# Allegro board FH8858v310_app_board_v1.1.brd (continued)
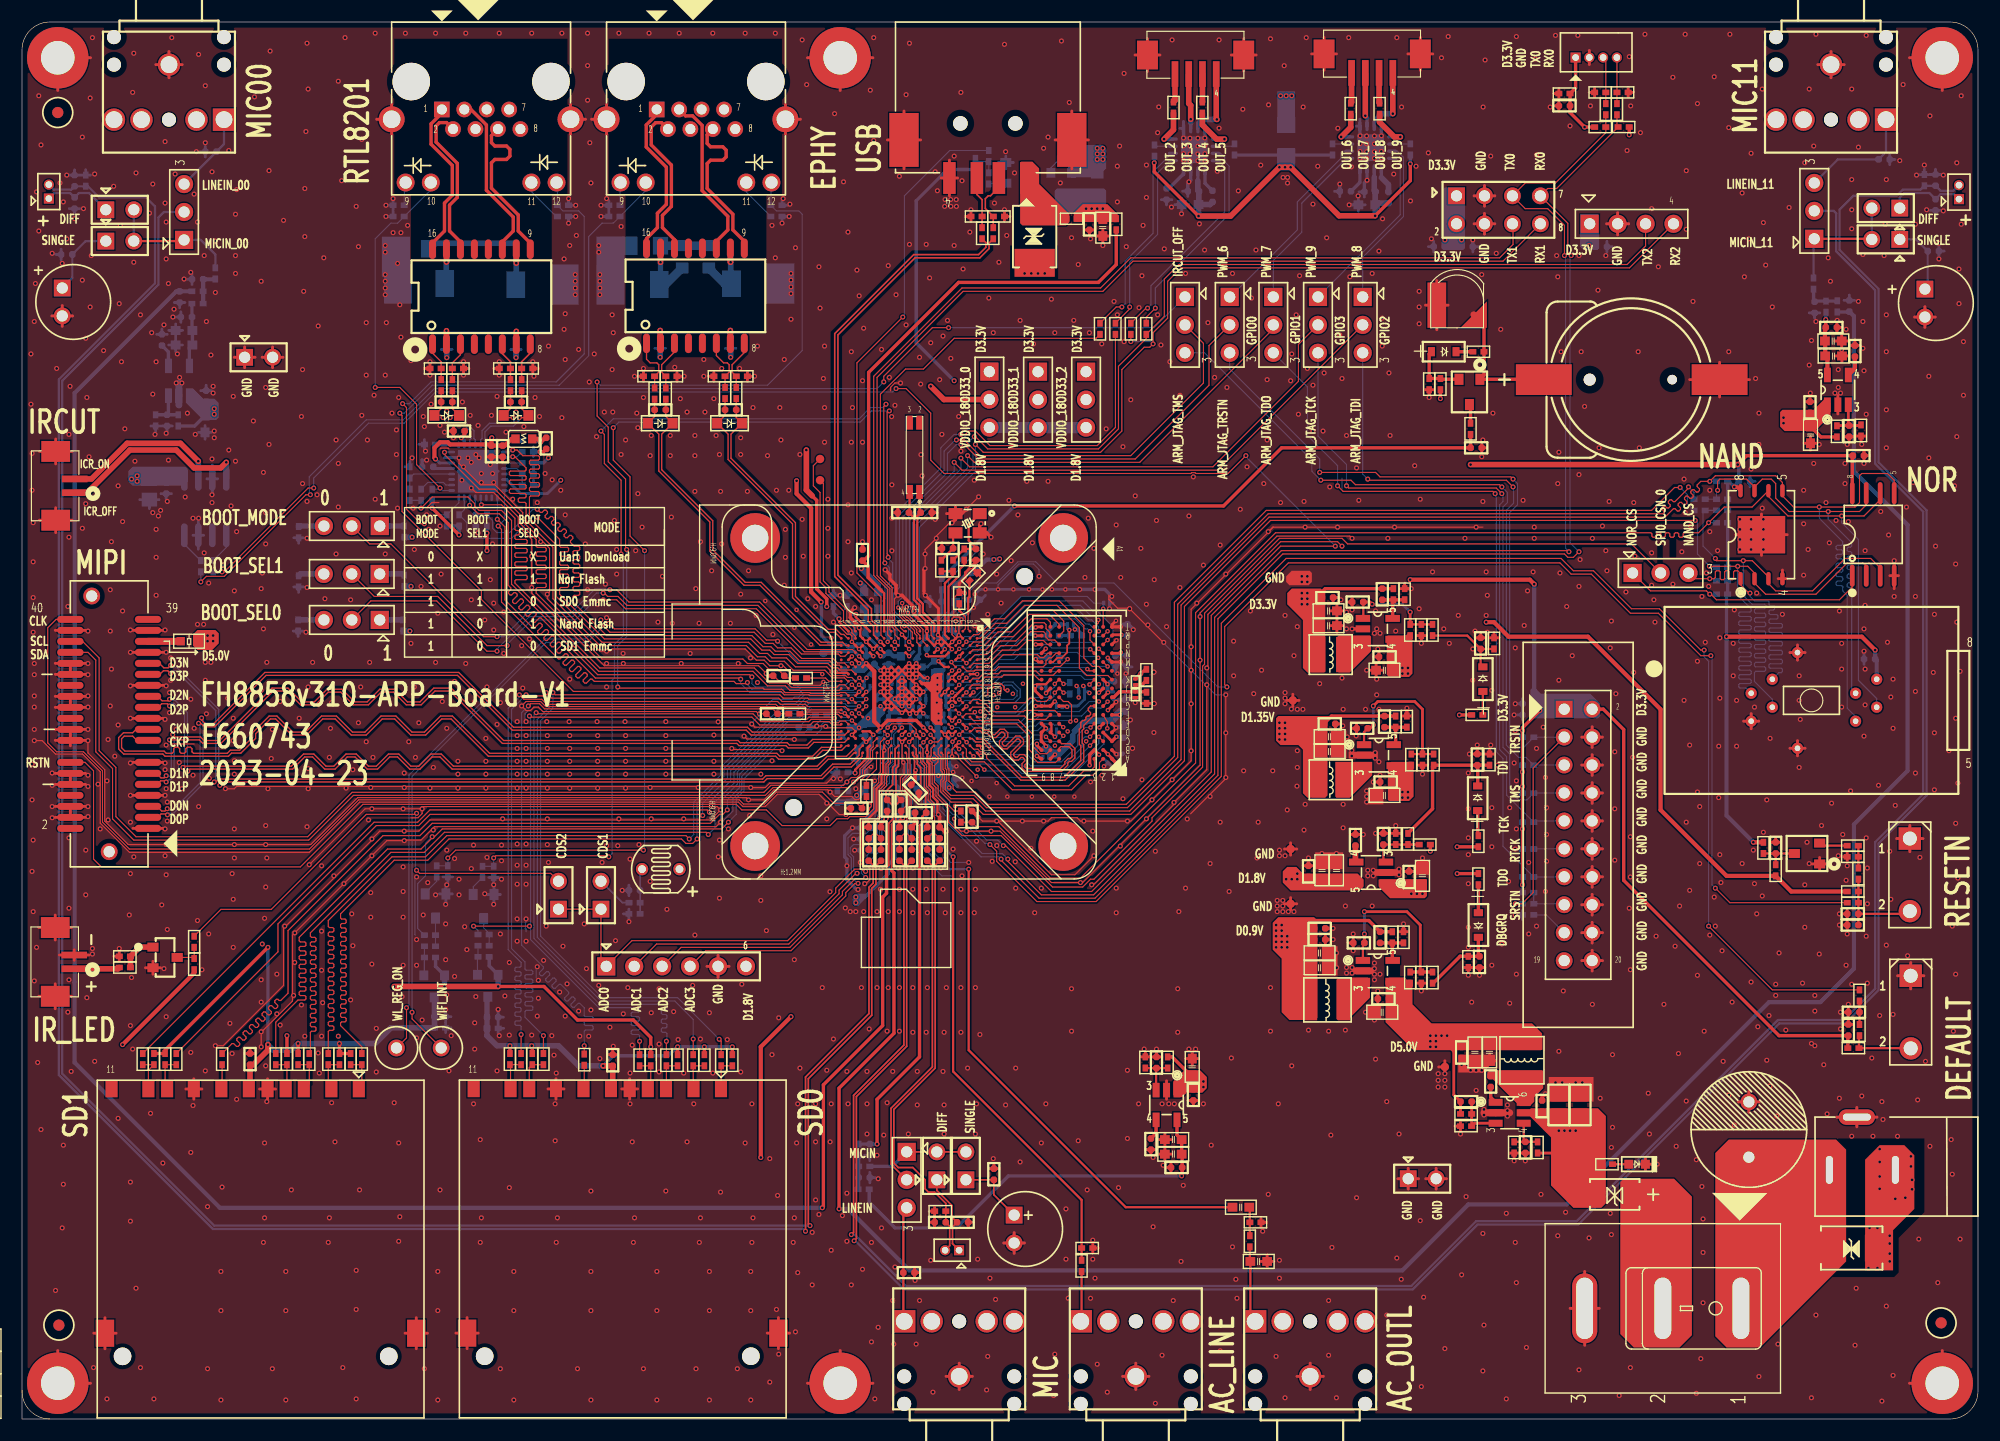
[diagram p0: board, top side]
## Nets (continued)
GND: BT1.2(-) BT2.2(-) C2.2 C3.2 C4.2 C5.2 C6.2 C7.2 C9.2 C10.1 C11.1 C12.1 C14.2 C15.2 C16.2 C17.1 C18.1 C19.2 C20.1 C21.2 C22.2 C23.1 C24.2 C25.1 C26.1 C28.2 C29.2 C30.2 C31.1 C32.2 C33.2 C34.1 C35.1 C37.2 C38.2 C39.2 C40.2 C41.1 C42.2 C43.2 C44.1 C45.1 C46.1 C47.1 C48.1 C49.2 C50.1 C51.2 C52.1 C53.2 C54.2 C55.2 C58.2 C59.2 C60.2 C63.1 C64.2 C65.1 C66.2 C67.2 C70.2 C71.2 C73.2 C74.2 C75.2 C77.1 C78.1 C79.1 C80.1 C81.1 C82.1 C83.1 C84.2 C85.1 C86.2 C87.2 C88.2 C89.2 C90.2 C91.2 C92.2 C93.2 C94.2 C95.2 C96.2 C97.2 C98.2 C99.2 C100.1 C101.2 C102.2 C103.2 C104.2 C105.2 C106.2 C107.1 C108.2 C109.1 C110.2 C111.2 C112.2 C113.2 C114.2 C115.2 C116.2 C117.2 C118.1 C119.2 C120.1 C121.2 C122.1 C123.2 C124.2 C125.2 C126.2 C127.2 C128.2 C129.2 C130.2 C131.1 C132.2 C133.1 C134.2 C135.1 C136.2 C137.2 C138.2 C139.2 C140.2 C141.2 C142.2 C143.2 C144.1 C145.2 C147.2 C148.2 C149.2 C150.1 C151.2 C152.2 C153.2 C156.2 C157.2 C158.2 C159.2 C160.2 C161.2 C162.2 C163.2 C164.2 C165.2 C166.1 C167.2 C168.2 C169.1 C170.2 C171.2 C172.2 C173.2 C174.2 C175.2 C176.1 C177.2 C178.2 C179.1 C180.1 C181.1 C183.1 C184.1 C185.1 C186.2 C188.2 C189.2 C190.1 C191.2 C192.2 C193.1 C194.2 C195.1 C196.2 C199.2 C200.2 C299.2 CN1.5 CN2.5 CN3.5 CN4.5 CN5.5 CR3.2 CR4.2 CR5.2 CR6.2 CR7.2 CR8.2 CR9.2 CR10.2 CR11.2 CR12.2 CR13.2 CR14.2 CR15.2 CR16.2 CR17.2 CR18.2 CR19.2 CR20.2 CR21.2 CR22.2 CR23.2 CR24.2 CR25.2 CR26.2 CR27.2 CR29.2 CR30.2 CR31.2 CR32.2 CR33.2 CR34.1 D2.A D3.K D8.K D9.A D10.A D13.K D14.A D15.A D16.A D17.A D18.K D19.A D21.K D22.K D23.A D24.K D25.K D26.A D27.K D28.K D29.K D30.A D31.A D33.A J1.2 J1.3 J2.3 J3.1 J3.4 J3.6 J3.7 J3.10 J3.12 J3.13 J3.18 J3.20 J3.21 J3.24 J3.26 J3.27 J3.30 J3.32 J3.33 J3.37 J3.38 J4.5(GND2) J4.8(GND1) J4.15(GND3) J4.16(GND4) J5.5(GND2) J5.8(GND1) J5.15(GND3) J5.16(GND4) J6.2 J8.2 J10.2 J12.2 J13.2 J13.CG1 J13.CG2 J14.5 J15.CG1 J15.CG2 J16.2 J17.13(SOLDER1) J17.14(SOLDER2) J18.13(SOLDER1) J18.14(SOLDER2) J19.CG1 J19.CG2 J20.CG1 J20.CG2 J21.4(GND) J21.CG1 J21.CG2 JP4.1 JP4.2 JP5.1 JP5.2 Q1.2(E) Q2.2(E) Q3.2(E) Q4.2(E) R4.1 R5.1 R8.1 R9.1 R11.1 R16.1 R17.1 R19.2 R22.2 R25.1 R26.1 R31.2 R38.1 R43.2 R46.2 R48.2 R49.2 R63.1 R74.1 R80.2 R92.1 R99.2 R106.1 R107.2 R112.1 R113.2 R118.1 R119.2 R121.1 R126.2 R132.1 R134.2 R139.2 R142.2 R173.1 R176.1 R179.1 R188.1 R189.1 R191.2 R192.1 R193.1 R199.1 RF2.1 RR2.1 RR3.1 RR4.1 RR9.1 RR10.1 RR13.1 S1.1 S2.1 T2.1 T5.1 T6.1 T8.1 T10.1 T16.1 T17.1 T18.1 T19.1 T20.1 T21.1 U1.2(GND) U2.2(GND) U3.2(GND) U4.2(GND) U5.2(GND) U6.A1(VSS_0) U6.A17(VSS_1) U6.A18(VSS_2) U6.B7(VSS_3) U6.B10(VSS_4) U6.C2(VSS_5) U6.C4(VSS_6) U6.C9(VSS_7) U6.C12(VSS_8) U6.C14(VSS_9) U6.D2(VSS_10) U6.D5(VSS_11) U6.D7(VSS_12) U6.D8(VSS_13) U6.D10(VSS_14) U6.D11(VSS_15) U6.D13(VSS_16) U6.D15(VSS_17) U6.D17(VSS_18) U6.E3(GNDA_PLL) U6.E8(VSS_19) U6.E9(VSS_20) U6.E11(VSS_21) U6.E13(VSS_22) U6.E15(VSS_23) U6.E16(VSS_24) U6.F2(VSS_25) U6.F3(VSS_26) U6.F10(VSS_27) U6.F15(VSS_28) U6.G3(GNDA_RTC_0) U6.H2(GNDA_RTC_1) U6.H17(VSS_29) U6.J6(VSS_30) U6.J7(VSS_31) U6.J9(VSS_32) U6.J10(VSS_33) U6.J11(VSS_34) U6.J12(VSS_35) U6.J16(GNDA_AC_1) U6.K6(VSS_36) U6.K7(VSS_37) U6.K8(VSS_38) U6.K9(VSS_39) U6.K12(VSS_42) U6.L2(VSS_65) U6.L6(VSS_66) U6.L7(VSS_67) U6.L12(VSS_68) U6.L16(GNDA_AC_0) U6.M6(VSS_43) U6.M7(VSS_44) U6.M12(VSS_45) U6.M16(GNDA_AC_2) U6.N6(VSS_46) U6.N7(VSS_47) U6.N8(VSS_48) U6.N9(VSS_49) U6.N10(VSS_50) U6.N11(VSS_51) U6.N12(VSS_52) U6.P6(VSS_53) U6.P7(VSS_54) U6.P8(VSS_55) U6.P9(VSS_56) U6.P10(VSS_57) U6.P11(VSS_58) U6.P12(VSS_59) U6.P17(VSS_60) U6.R3(GNDA_USB_0) U6.T2(GNDA_USB_1) U6.T3(GNDA_USB_2) U6.T16(GNDA_MIPI_0) U6.U2(GNDA_USB_3) U6.U3(GNDA_EPHY_0) U6.U4(GNDA_EPHY_1) U6.U16(GNDA_MIPI_1) U6.V3(GNDA_EPHY_2) U6.V10(VSS_61) U6.V15(GNDA_MIPI_2) U6.V16(GNDA_MIPI_3) U6.W5(VSS_62) U6.W7(VSS_63) U6.W13(VSS_64) U7.2 U7.4 U9.4(GND) U10.4(GND) U10.9(PAD) U11.2(GND) U12.2(GND) U13.2(GND) U14.4(GND) U14.9(PAD1) U14.10(PAD2) U15.3 U15.4 U18.4 U18.6 U18.8 U18.10 U18.12 U18.14 U18.16 U18.18 U18.20 U19.3(GND#3) U19.7(GND#7) U22.1(GND) U25.31(CKXTAL1) U25.33(TH) U26.1(AISEN) U26.4(BISEN) U26.11(GND) U26.17(PAD) U27.1(AISEN) U27.4(BISEN) U27.11(GND) U27.17(PAD) UR1.A9(VSS1) UR1.B1(VSSQ1) UR1.B3(VSS2) UR1.B9(VSSQ2) UR1.D1(VSSQ3) UR1.D8(VSSQ4) UR1.E1(VSS3) UR1.E2(VSSQ5) UR1.E8(VSSQ6) UR1.F9(VSSQ7) UR1.G1(VSSQ8) UR1.G8(VSS4) UR1.G9(VSSQ9) UR1.J2(VSS5) UR1.J8(VSS6) UR1.M1(VSS7) UR1.M9(VSS8) UR1.P1(VSS9) UR1.P9(VSS10) UR1.T1(VSS11) UR1.T9(VSS12)
VBUS: D17.K J21.1(VCC) R160.2
VDDIO_18OD33_0: C82.2 JP13.2 U6.U10(VDDIO_18OD33_0)
VDDIO_18OD33_1: C85.2 JP40.2 U6.L4(VDDIO_18OD33_1)
VDDIO_18OD33_2: C83.2 JP41.2 U6.G15(VDDIO_18OD33_2)
AC_LINE1: C72.2 R120.2 R121.2
AC_MICBIAS: C59.1 C114.1 R104.2 U6.K17(AC_MICBIAS)
AC_MICBIAS_00: C66.1 C140.1 R116.2 U6.M17(AC_MICBIAS_00)
AC_MICBIAS_11: C71.1 C127.1 R110.2 U6.M18(AC_MICBIAS_11)
AC_MICIN: C57.2 C117.1 J7.2 R107.1
AC_MICIN_00: C62.2 C143.1 J11.2 R119.1
AC_MICIN_11: C69.2 C130.1 J9.2 R113.1
AC_MICIP: C56.2 JP17.2
AC_MICIP_00: C61.2 JP23.2
AC_MICIP_11: C68.2 JP20.2
AC_OUTL: C76.2 C146.1
ARM_DBGRQ: R142.1 U18.17
ARM_JTAG_TCK: JP9.3 R138.1 U18.9
ARM_JTAG_TDI: JP7.3 R136.1 U18.5
ARM_JTAG_TDO: JP12.3 R140.1 U18.13
ARM_JTAG_TMS: JP10.3 R137.1 U18.7
ARM_JTAG_TRSTN: JP11.3 R135.1 R143.1 U18.3
BOOT_MODE: JP1.2 U6.V4(BOOT_MODE/GPIO30)
BOOT_SEL0: JP3.2 U6.Y4(BOOT_SEL0/GPIO32)
BOOT_SEL1: JP2.2 U6.W4(BOOT_SEL1/GPIO31)
CDS1: JP29.2 R129.2
CDS2: JP30.2 R130.1
CIS_CLK: C52.2 J3.40 R33.1
CIS_RSTN: J3.14 U6.P16(SENSOR_RSTN/GPIO13)
CIS_SCL: J3.36 R34.2 U6.R16(I2C0_SCL/GPIO35)
CIS_SDA: J3.34 R35.2 U6.R17(I2C0_SDA/GPIO36)
CLK_IN: R39.2 U6.E1(CLK_IN)
CLK_OUT: R40.1 R41.2 U6.E2(CLK_OUT)
DDR_0_CS_N: U6.B2(DDR_CS_N) UR1.L2(C\S\)
DDR_0_ODT: U6.A2(DDR_ODT) UR1.K1(ODT)
DDR_A0: U6.C8(DDR_A0) UR1.N3(A0)
DDR_A1: U6.A5(DDR_A1) UR1.P7(A1)
DDR_A2: U6.E7(DDR_A2) UR1.P3(A2)
DDR_A3: U6.C7(DDR_A3) UR1.N2(A3)
DDR_A4: U6.B6(DDR_A4) UR1.P8(A4)
DDR_A5: U6.C3(DDR_A5) UR1.P2(A5)
DDR_A6: U6.B5(DDR_A6) UR1.R8(A6)
DDR_A7: U6.C5(DDR_A7) UR1.R2(A7)
DDR_A8: U6.B4(DDR_A8) UR1.T8(A8)
DDR_A9: U6.D6(DDR_A9) UR1.R3(A9)
DDR_A10: U6.B8(DDR_A10) UR1.L7(A10/AP)
DDR_A11: U6.B3(DDR_A11) UR1.R7(A11)
DDR_A12: U6.C6(DDR_A12) UR1.N7(A12/BC~)
DDR_A13: U6.D4(DDR_A13) UR1.T3(A13)
DDR_A14: U6.A3(DDR_A14) UR1.T7(A14)
DDR_BA0: U6.E10(DDR_BA0) UR1.M2(BA0)
DDR_BA1: U6.A6(DDR_BA1) UR1.N8(BA1)
DDR_BA2: U6.D9(DDR_BA2) UR1.M3(BA2)
DDR_CAS_N: U6.C11(DDR_CAS_N) UR1.K3(C\A\S\)
DDR_CKE: U6.A8(DDR_CKE) UR1.K9(CKE)
DDR_CLK0_N: RR1.1 U6.A9(DDR_CLK_N) UR1.K7(C\K\)
DDR_CLK0_P: RR1.2 U6.B9(DDR_CLK_P) UR1.J7(CK)
DDR_DM0: U6.D14(DDR_DM0) UR1.E7(LDM)
DDR_DM1: U6.B18(DDR_DM1) UR1.D3(UDM)
DDR_DQ0: U6.C16(DDR_DQ0) UR1.E3(DQ0)
DDR_DQ1: U6.A11(DDR_DQ1) UR1.F7(DQ1)
DDR_DQ2: U6.D18(DDR_DQ2) UR1.F2(DQ2)
DDR_DQ3: U6.B12(DDR_DQ3) UR1.F8(DQ3)
DDR_DQ4: U6.A13(DDR_DQ4) UR1.H3(DQ4)
DDR_DQ5: U6.B11(DDR_DQ5) UR1.H8(DQ5)
DDR_DQ6: U6.C13(DDR_DQ6) UR1.G2(DQ6)
DDR_DQ7: U6.D12(DDR_DQ7) UR1.H7(DQ7)
DDR_DQ8: U6.C15(DDR_DQ8) UR1.D7(DQ8)
DDR_DQ9: U6.D16(DDR_DQ9) UR1.C3(DQ9)
DDR_DQ10: U6.E14(DDR_DQ10) UR1.C8(DQ10)
DDR_DQ11: U6.C18(DDR_DQ11) UR1.C2(DQ11)
DDR_DQ12: U6.B14(DDR_DQ12) UR1.A7(DQ12)
DDR_DQ13: U6.C17(DDR_DQ13) UR1.A2(DQ13)
DDR_DQ14: U6.B13(DDR_DQ14) UR1.B8(DQ14)
DDR_DQ15: U6.B17(DDR_DQ15) UR1.A3(DQ15)
DDR_DQS0_N: U6.A16(DDR_DQS0_N) UR1.G3(L\D\Q\S\)
DDR_DQS0_P: U6.B16(DDR_DQS0_P) UR1.F3(LDQS)
DDR_DQS1_N: U6.B15(DDR_DQS1_N) UR1.B7(U\D\Q\S\)
DDR_DQS1_P: U6.A15(DDR_DQS1_P) UR1.C7(UDQS)
DDR_RAS_N: U6.E12(DDR_RAS_N) UR1.J3(R\A\S\)
DDR_RESET_N: CR34.2 U6.D3(DDR_RESET_N) UR1.T2(R\E\S\E\T\)
DDR_VREF_D: CR2.2 CR16.1 RR8.1 RR10.2 U6.E6(DDR_VREFDQ)
DDR_WE_N: U6.C10(DDR_WE_N) UR1.L3(W\E\)
E0_CT1: C168.1 U24.2(CT1)
E0_CT1_16425705: C165.1 U23.2(CT1)
E0_CT2: C170.1 U24.7(CT2)
E0_CT2_16425705: C167.1 U23.7(CT2)
EN1: C32.1 D4.K R13.1 R19.1 R20.1
EN2: C200.1 D35.K R12.1 R126.1
EN3: C33.1 D5.K R22.1 R27.1
EPHY_RXN: C155.2 D32.K R181.2 U6.W2(EPHY_RXN)
EPHY_RXP: C155.1 D32.A R178.2 U6.Y2(EPHY_RXP)
EPHY_TXN: C154.2 D20.K R177.2 U6.W3(EPHY_TXN)
EPHY_TXP: C154.1 D20.A R174.2 U6.Y3(EPHY_TXP)
ETH_ACT: D19.K J17.12(LEDY+) U6.W10(GPIO28)
ETH_AVDD33: C172.1 C173.1 L5.1 U25.7(AVDD33_1) U25.30(AVDD33_2)
ETH_STA: D23.K J17.10(LEDR+) U6.Y10(GPIO29)
GPIO_0: JP11.2 U6.J3(GPIO_0)
GPIO_1: JP12.2 U6.H3(GPIO_1)
GPIO_2: JP7.2 U6.J2(GPIO_2)
GPIO_3: JP9.2 U6.J1(GPIO_3)
GPIO_RESET: R166.2 U6.F16(PWM_1)
HOLD: R51.1 R54.1 U9.7(/HOLD/IO3) U10.7(IO3/HOLD) U14.7(IO3/HOLD)
IR_LED_IN: J13.1 R133.2
IRCUT_OFF: JP10.1 R144.2
IRCUT_ON: R145.2 U6.G16(PWM_0)
IRCUT_OUT_OFF: J15.1 U19.4(OUT A)
IRCUT_OUT_ON: J15.2 U19.2(OUT B)
JTAG_RTCK: R139.1 U18.11
JTAG_SRSTN: R141.1 R143.2 U18.15
LDO_MICBIAS: C110.1 C111.1 C112.1 R103.2 U11.5(VOUT)
LDO_MICBIAS_00: C136.1 C137.1 C138.1 R115.2 U13.5(VOUT)
LDO_MICBIAS_11: C123.1 C124.1 C125.1 R109.2 U12.5(VOUT)
LED0_AD0: D30.K J18.12(LEDY+) R197.2 U25.24(LED0_AD0)
LED1_AD1: D31.K J18.10(LEDR+) R198.2 U25.25(LED1_AD1)
MAC_MDC: U6.U8(MAC_MDC/GPIO55/PWM9) U25.22(MDC)
MAC_MDIO: R190.2 U6.V7(MAC_MDIO/GPIO56) U25.23(MDIO)
MAC_REF_CLK: C179.2 R205.2 U25.32(CKXTAL2)
MAC_RMII_RXDV: R196.2 U25.8(RXDV)
MAC_RX_ER: R193.2 R194.2 U25.28(RXER/FXEN)
MAC_RXD0: U6.V8(MAC_RXD_0) U25.9(RXD0)
MAC_RXD1: R192.2 U6.W8(MAC_RXD_1) U25.10(RXD1)
MAC_RXDV: R194.1 R195.1 U6.Y9(MAC_RXDV)
MAC_TXD0: U6.V9(MAC_TXD_0) U25.16(TXD0)
MAC_TXD1: U6.U9(MAC_TXD_1) U25.17(TXD1)
MAC_TXEN: U6.W9(MAC_TXEN) U25.20(TXEN)
MDI_RN: C198.2 D34.K R187.2 U25.6(MDI[1]-)
MDI_RP: C198.1 D34.A R185.2 U25.5(MDI[1]+)
MDI_TN: C197.2 D11.K R184.2 U25.4(MDI[0]-)
MDI_TP: C197.1 D11.A R182.2 U25.3(MDI[0]+)
MIPI_CKN: J3.19 U6.W17(MIPI_CKN)
MIPI_CKP: J3.17 U6.Y17(MIPI_CKP)
MIPI_D0N: J3.5 U6.W15(MIPI_DN0)
MIPI_D0P: J3.3 U6.Y15(MIPI_DP0)
MIPI_D1N: J3.11 U6.W16(MIPI_DN1)
MIPI_D1P: J3.9 U6.Y16(MIPI_DP1)
MIPI_D2N: J3.25 U6.V18(MIPI_DN2)
MIPI_D2P: J3.23 U6.V17(MIPI_DP2)
MIPI_D3N: J3.31 U6.U18(MIPI_DN3)
MIPI_D3P: J3.29 U6.U17(MIPI_DP3)
MIPI_D5.0V: J3.35 R50.2
MOTO_OUT_2: R150.1 U26.16(AOUT1)
MOTO_OUT_3: J19.2 U26.2(AOUT2)
MOTO_OUT_4: R151.1 U26.5(BOUT1)
MOTO_OUT_5: J19.4 U26.3(BOUT2)
MOTO_OUT_6: R152.1 U27.16(AOUT1)
MOTO_OUT_7: J20.2 U27.2(AOUT2)
MOTO_OUT_8: R153.1 U27.5(BOUT1)
MOTO_OUT_9: J20.4 U27.3(BOUT2)
NAND_CS: JP14.3 R59.2 U10.1(CS) U14.1(CS)
NOR_CS: JP14.1 R52.2 U9.1(/CS)
PHY_RESET: C176.2 R202.2 U6.Y6(SSI1_RXD/GPIO16/SSI2_RXD) U25.21(PHYRSTB)
PHY_RN: J18.6(RX-) U24.9(RX-)
PHY_RN_16425661: J17.6(RX-) U23.9(RX-)
PHY_RP: J18.3(RX+) U24.11(RX+)
PHY_RP_16425661: J17.3(RX+) U23.11(RX+)
PHY_TN: J18.2(TX-) U24.14(TX-)
PHY_TN_16425661: J17.2(TX-) U23.14(TX-)
PHY_TP: J18.1(TX+) U24.16(TX+)
PHY_TP_16425661: J17.1(TX+) U23.16(TX+)
PWM_2: R154.1 U26.14(AIN1)
PWM_3: R155.1 U26.13(AIN2)
PWM_4: R156.1 U26.7(BIN1)
PWM_5: R212.1 U26.8(BIN2)
PWM_6: JP11.1 U27.14(AIN1)
PWM_7: JP12.1 U27.13(AIN2)
PWM_8: JP7.1 U27.7(BIN1)
PWM_9: JP9.1 U27.8(BIN2)
RESETN: C190.2 R172.2 U6.D1(RESETN)
RMII_CLK_CTL: R199.2 R200.2 U25.12(RXD3/CLK_CTL)
RMII_INT: R201.2 U25.11(RXD2)
RTC_VBAT: C102.1 R37.1 R61.1
RTC_XIN: C79.2 U6.G1(RTC_XIN) U8.1
RTC_XOUT: C81.2 U6.G2(RTC_XOUT) U8.4
SD0_3.3V: C103.1 C104.1 J4.6(VCC) MQ1.3(DRAIN) R64.1 R65.1 R66.1 R67.1 R74.2 R82.1
SD0_CD: R75.1 R77.1 U6.Y14(SD0_CD/GPIO17)
SD0_CLK: C178.1 R72.1 R204.1
SD0_CMD: R79.1 U6.W14(SD0_CMD_RSP/GPIO19)
SD0_DATA_0: R68.1 U6.W12(SD0_DATA_0/GPIO20)
SD0_DATA_1: R69.1 U6.Y12(SD0_DATA_1/GPIO21)
SD0_DATA_2: R70.1 U6.W11(SD0_DATA_2/GPIO22)
SD0_DATA_3: R71.1 U6.Y11(SD0_DATA_3/GPIO23)
SD1_3.3V: C105.1 C106.1 J5.6(VCC) MQ2.3(DRAIN) R83.1 R84.1 R85.1 R86.1 R92.2 R101.1
SD1_CD: R94.1 R96.1 U6.V14(SD1_CD/GPIO58/I2C1_SDA)
SD1_CLK: C180.2 R93.1 R206.2
SD1_CMD: R98.1 U6.U13(SD1_CMD_RSP/GPIO59/UART1_TX)
SD1_DATA_0: R87.1 U6.U12(SD1_DATA_0/GPIO60/UART1_RX)
SD1_DATA_1: R88.1 U6.V12(SD1_DATA_1/GPIO61/UART2_TX)
SD1_DATA_2: R89.1 U6.V11(SD1_DATA_2/GPIO62/UART2_RX)
SD1_DATA_3: R90.1 U6.U11(SD1_DATA_3/GPIO63)
SPI0_CLK: C177.1 R56.1 R203.1 U9.6(CLK) U10.6(CLK) U14.6(CLK)
SPI0_CSN_0: JP14.2 U6.G17(SSI0_CSN_0)
SPI0_D_2: R58.1 U6.E18(SSI0_D2)
SPI0_D_3: R51.2 U6.E17(SSI0_D3)
SPI0_RXD: R53.2 U6.F17(SSI0_RXD) U9.2(SO/IO1/TXD) U10.2(SO/IO1/TXD) U14.2(SO/IO1/TXD)
SPI0_TXD: R57.1 U6.F18(SSI0_TXD) U9.5(SI/IO0/RXD) U10.5(IO0/SI/RXD) U14.5(IO0/SI/RXD)
UART0_RX: R122.1 R127.1 U6.J15(UART0_RX/GPIO34) U15.7
UART0_TX: R124.1 R125.1 U6.H16(UART0_TX/GPIO33) U15.5
UART1_RX: U6.N1(UART1_RX) U15.8
UART1_TX: U6.N2(UART1_TX) U15.6
UART2_RX: J16.4 R212.2 U6.K3(UART2_RX)
UART2_TX: J16.3 R156.2 U6.L3(UART2_TX)
USB_DM: R146.1 U6.R1(USB_DM)
USB_DP: R147.1 U6.R2(USB_DP)
USB_PWREN: R162.1 U6.P2(USB_PWREN)
USB_VBUS: C196.1 R158.2 U6.P1(USB_VBUS)
USBN: D13.A J21.2(D-) R146.2
USBP: D14.K J21.3(D+) R147.2
VM: C181.2 C182.2 C183.2 C184.2 C185.2 C187.2 R207.1 R208.1 R209.1 R210.2 R211.1 U26.10(VM) U27.10(VM)
VREFCA0: CR28.2 CR33.1 RR11.1 RR13.2 UR1.M8(VREFCA)
VREFDQ0: CR1.2 CR15.1 RR5.1 RR9.2 UR1.H1(VREFDQ)
WIFI_INT: T14.1 U6.V6(SSI1_CSN_0/GPIO14/SSI2_CSN_0)
WL_REG_ON: T15.1 U6.W6(SSI1_TXD/GPIO15/SSI2_TXD)
WP: R55.2 R58.2 U9.3(/WP/IO2) U10.3(WP/IO2) U14.3(WP/IO2)
XAIN0_SADC: C97.1 J14.1 JP29.1 JP30.1 U6.M15(SADC_XAIN0/GPIO26)
XAIN1_SADC: C156.1 J14.2 U6.N16(SADC_XAIN1/GPIO27)
XAIN2_SADC: C157.1 J14.3 U6.N15(SADC_XAIN2/GPIO24)
XAIN3_SADC: C189.1 J14.4 U6.P15(SADC_XAIN3/GPIO25)
N00509: C149.1 D12.K R129.1 R132.2
N00760: J4.9(DATA0) R67.2 R68.2
N00772: J4.10(DATA1) R66.2 R69.2
N00784: J4.1(DATA2) R65.2 R70.2
N00796: J4.2(DATA3) R64.2 R71.2
N00808: J4.7(CLK) R72.2
N00832: J4.4(CARD) R77.2 R81.2
N00844: J4.3(CMD) R79.2 R82.2
N02229: J5.9(DATA0) R86.2 R87.2
N02233: J5.10(DATA1) R85.2 R88.2
N02237: J5.1(DATA2) R84.2 R89.2
N02241: J5.2(DATA3) R83.2 R90.2
N02245: J5.7(CLK) R93.2
N02253: J5.4(CARD) R96.2 R100.2
N02257: J5.3(CMD) R98.2 R101.2
N02694: R191.1 U25.1(RSET)
N02800: C175.1 U25.29(DVDD10)
N02838: R195.2 U25.26(CRS/CRS_DV)
N02910: C174.1 U25.2(AVDD10)
N04317: R144.1 U19.8(IN A)
N04321: R145.1 U19.5(IN B)
N04628: D9.K J12.4 R127.2
N04632: D10.K J12.3 R125.2
N05813: C146.2 RF1.1 RF2.2
N05817: C147.1 CN5.1 RF1.2
N06013: R164.2 R165.1 S1.2
N06017: C161.1 R165.2 R166.1
N06505: C163.1 C164.1 R168.1 R171.2 R172.1 S2.2
N06945: R170.2 R171.1 R173.2
N06949: R170.1 U22.2(/RESET)
N07170: C162.1 R167.2 R169.2 U22.3(VCC)
N07819: C158.1 C159.1 MQ3.3(DRAIN) R157.2 R158.1 R160.1
N08066: C3.1 D2.K J1.1 J2.1
N08150: D1.A J2.2
N08491: MQ3.1(GATE) Q4.3(C) R159.1
N08611: Q4.1(B) R163.2
N08706: RR4.2 UR1.L8(ZQ)
N08717: R161.1 R162.2 R163.1
N08787: MQ1.1(GATE) R73.1 R76.2
N08811: Q1.3(C) R75.2 R76.1
N09072: D3.A R1.1
N09434: C134.1 J10.1 JP21.1
N09578: C145.1 CN3.1 JP23.3
N09603: C1.1 U1.1(BS)
N09840: C1.2 L1.1 U1.6(SW)
N09903: C8.2 R3.1 R5.2 U1.3(FB)
N09934: MQ2.1(GATE) R91.1 R95.2
N09938: Q2.3(C) R94.2 R95.1
N10300: C139.1 R114.2 R115.1 R116.1
N11558: C20.2 R7.2 R8.2 R12.2 U2.1(EN)
N12312: L2.1 U2.3(LX)
N12328: C13.2 R6.1 R9.2 U2.5(FB)
N12968: Q3.1(B) R133.1 R134.1
N13141: Q3.3(C) R130.2 R131.1
N15061: C27.2 R14.1 R16.2 U4.5(FB)
N15235: C31.2 R15.2 R17.2 R20.2 U4.1(EN)
N15383: L3.1 U4.3(LX)
N17654: C36.2 R23.1 R26.2 U5.5(FB)
N17828: C41.2 R24.2 R25.2 R27.2 U5.1(EN)
N17960: L4.1 U5.3(LX)
N20335: C23.2 R10.2 R11.2 R13.2 U3.3(EN)
N28498: C10.2 R2.2 R4.2 U1.4(EN)
N33554: C144.2 R117.2 R118.2 U13.3(EN)
N36432: CN4.1 R120.1
N36801: C24.1 U3.4(NR)
N41621: D4.A R18.2
N41625: D5.A R21.2
N44755: C142.1 J11.1 JP22.1
N44863: JP21.2 JP22.2 JP23.1 R114.1
N48743: C141.1 U13.4(NR)
N052210: Q1.1(B) R78.2
N56700: C126.1 R108.2 R109.1 R110.1
N56732: C121.1 J8.1 JP18.1
N56740: C129.1 J9.1 JP19.1
N56748: JP18.2 JP19.2 JP20.1 R108.1
N56996: C131.2 R111.2 R112.2 U12.3(EN)
N57248: C132.1 CN2.1 JP20.3
N57260: C128.1 U12.4(NR)
N58665: C113.1 R102.2 R103.1 R104.1
N58697: C108.1 J6.1 JP15.1
N58705: C116.1 J7.1 JP16.1
N58713: JP15.2 JP16.2 JP17.1 R102.1
N58961: C118.2 R105.2 R106.2 U11.3(EN)
N59213: C119.1 CN1.1 JP17.3
N59225: C115.1 U11.4(NR)
N098160: Q2.1(B) R97.2
N16420393: C169.2 R183.1 R186.1
N16420413: D29.A R187.1 U24.8(RD-)
N16420429: D28.A R185.1 U24.6(RD+)
N16420441: D27.A R184.1 U24.3(TD-)
N16420453: D25.A R182.1 U24.1(TD+)
N16420847: D26.K R183.2 U24.15(CT4)
N16421965: D33.K R186.2 U24.10(CT3)
N16425733: J17.9(LEDR-) R179.2
N16425793: J17.11(LEDY-) R176.2
N16425805: C166.2 R175.1 R180.1
N16425817: D24.A R181.1 U23.8(RD-)
N16425841: D22.A R178.1 U23.6(RD+)
N16425857: D21.A R177.1 U23.3(TD-)
N16425869: D18.A R174.1 U23.1(TD+)
N16426003: D15.K R175.2 U23.15(CT4)
N16426121: D16.K R180.2 U23.10(CT3)
N16429750: C78.2 R39.1 R40.2 U7.1
N16429757: C80.2 R41.1 U7.3
N16431709: R38.2 U6.T17(MIPI_REXT)
N16431882: C63.2 C65.2 R36.2 U6.T15(VDDA_MIPI_0) U6.U15(VDDA_MIPI_1)
N16435126: J18.9(LEDR-) R189.2
N16435186: J18.11(LEDY-) R188.2
N16435296: R31.1 U6.T1(USB_REXT)
N16435824: C49.1 C51.1 R30.1 U6.P3(VDDA33_USB)
N16436348: C42.1 C43.1 R28.1 U6.P4(VDDA18_USB)
N16436997: C53.1 C54.1 R32.1 U6.L15(VDDA_AC)
N16449185: C45.2 C50.2 R29.2 U6.F4(VDDA18_PLL)
N16449233: C46.2 U6.E4(VDDA09_PLL)
N16450927: R205.1 U6.Y8(MAC_CLK)
N16455658: R154.2 U6.M2(I2C1_SCL)
N16455818: R155.2 U6.L1(I2C1_SDA)
N16457157: R206.1 U6.V13(SD1_CLK/GPIO57/I2C1_SCL)
N16486091: JP3.3 R48.1
N16486095: JP3.1 R47.1
N16486099: JP2.3 R46.1
N16486103: JP2.1 R45.1
N16486107: JP1.3 R43.1
N16486111: JP1.1 R42.1
N16486523: R49.1 U6.W1(EPHY_REXT)
N16486660: T12.1 U6.V1(EPHY_ATBUSA)
N16486662: T13.1 U6.V2(EPHY_ATBUSB)
N16487186: C87.1 R44.1 U6.R4(VDDA09_EPHY)
N16490273: RR2.2 U6.B1(DDR_CAL)
N16490668: T11.1 U6.U5(VDDA12_VREF)
N16520538: D6.3(A) R61.2
N16520613: BT1.1(+) BT2.1(+) D6.1(C1) R62.1
N16520832: D6.2(C2) D7.A R60.1 R63.2
N16520849: D7.K R62.2
N16521132: JP10.2 U6.K2(GPIO_4)
N16521492: R33.2 U6.R18(SENSOR_CLK/GPIO12)
N16523108: RR3.2 U6.C1(DDR_ZQ)
N16568818: C187.1 U26.9(VCP)
N16568861: C186.1 U26.12(VINT)
N16569733: R209.2 U26.6(NFAULT)
N16569735: R211.2 U26.15(NSLEEP)
N16571206: C182.1 U27.9(VCP)
N16571226: C188.1 U27.12(VINT)
N16571270: R208.2 U27.6(NFAULT)
N16571274: R207.2 U27.15(NSLEEP)
N16582454: C60.1 C61.1 U6.N18(AC_MICIP_00)
N16582482: C62.1 C64.1 U6.N17(AC_MICIN_00)
N16582502: C67.1 C68.1 U6.L18(AC_MICIP_11)
N16582514: C69.1 C70.1 U6.L17(AC_MICIN_11)
N16582562: C77.2 R37.2 U6.G4(VDDA33_RTC)
N16582664: C55.1 C56.1 U6.J18(AC_MICIP)
N16582680: C57.1 C58.1 U6.J17(AC_MICIN)
N16582750: C72.1 C73.1 U6.K15(AC_LINE1)
N16582754: C76.1 U6.K16(AC_OUTL)
N16582796: C74.1 C75.1 U6.K18(AC_VMID)
N16589672: R203.2 U6.G18(SSI0_CLK)
N16598183: R78.1 R80.1 U6.M3(PWM_2/GPIO45)
N16598187: R97.1 R99.1 U6.N3(PWM_3/GPIO46)
N16609598: R204.2 U6.Y13(SD0_CLK/GPIO18)
N16674187: J19.1 R150.2
N16674222: J19.3 R151.2
N16674257: J20.1 R152.2
N16674292: J20.3 R153.2
N16776457: D35.A R123.2

Pads without a net: CN1 2 3 4; CN2 2 3 4; CN3 2 3 4; CN4 2 3 4; CN5 2 3 4; J3 2 8 22 28 39; J4 11; J5 11; J17 4 5 7 8; J18 4 5 7 8; NOREF 1; NOREF#2 1; NOREF#5 1; NOREF#6 1; NOREF#7 1; NOREF#8 1; U6 Y5; U8 2 3; U18 19; U19 6; U23 4 5 12 13; U24 4 5 12 13; U25 13 15 18 19 27; UR1 J1 J9 L1 L9 M7

## Via types
v1: diameter 0.406, hole 0.203, TOP to BOTTOM, 289 vias
v2: diameter 0.457, hole 0.254, TOP to BOTTOM, 2476 vias

## Routing (per net, layer and track width the routed paths; a pad name or vN(x,y) marks a point on that pad's centre or on a via; arc(x,y) is an arc through that point)
D0.9V: length 27.3
  TOP w0.203: v1(79.99,66.1) 79.67,65.78 U6.M10 ; v1(79.99,66.1) 80.3,66.42 U6.L9 ; v1(79.99,66.1) U6.L10 ; v1(79.99,66.1) 79.99,66.1 U6.M9 79.67,66.43 v1(79.99,66.75) ; U6.L9 v1(79.99,66.75) ; U6.L9 80.63,66.1 ; v1(79.99,66.75) U6.M8 79.67,67.08 v1(79.99,67.4) U6.L8 80.3,67.07 v1(79.99,66.75) ; U6.L10 80.63,66.08 80.63,66.1 ; U6.L10 U6.K11 ; U6.L10 80.3,65.77 v1(79.99,65.45) ; U6.L11 v1(79.99,65.45) ; U6.L11 80.3,65.12 v1(79.99,64.8) U6.M11 ; U6.L11 U6.K10 ; U6.L11 v1(80.64,64.8) 80.95,65.12 U6.K11 ; v1(79.99,65.45) 79.67,65.13 U6.M11 ; v1(79.99,65.45) U6.M10 ; U6.K10 80.63,66.1 ; U6.K10 v1(81.29,65.45) 80.97,65.13 U6.K11 ; U6.M10 79.65,65.77 v1(79.34,65.45) U6.M11
  TOP w0.305: R23.2 C36.1 123.44,44.3 122.43,45.31 117.51,45.31 117.35,45.16
  BOTTOM w0.254: C89.1 78.32,64.52 v1(78.04,64.8)
  BOTTOM w0.305: C99.1 80.89,64.8 v1(80.64,64.8) ; C90.1 79.94,66.14 v1(79.99,66.1) 80.03,66.14 C96.1 ; C92.1 79.32,65.43 v1(79.34,65.45) 79.34,65.05 C91.1 79.9,64.88 v1(79.99,64.8) ; C94.1 79.88,66.85 v1(79.99,66.75) 80.09,66.85 C95.1 ; 80.3,64.96 C93.1 80.28,65.45 v1(79.99,65.45) ; C98.1 81.31,65.43 v1(81.29,65.45) ; v1(79.99,67.4) 79.91,67.48 R44.2 ; v1(78.04,64.8) 77.66,64.42 C88.1
  vias: v1(76.09,62.85) v1(76.91,63.7) v2(114,44.91) v2(114,44.4) v2(114,43.89) v2(114,43.38) v2(114,42.88) v2(114.5,44.91) v2(114.5,44.4) v2(114.5,43.89) v2(114.5,43.38) v2(114.5,42.88) v2(115.01,43.89) v2(115.01,43.38) v2(115.01,42.88)
D1.8V: length 204.4
  TOP w0.203: U6.U6 76.42,68.38 v1(76.74,68.7) ; U6.H15 v1(81.94,62.85) ; U6.V5 v1(76.09,68.7) ; U6.R15 78.04,62.83 v1(78.04,62.85)
  TOP w0.305: v1(81.94,62.85) 81.28,63.51 78.7,63.51 v1(78.04,62.85)
  TOP w0.381: v2(9.14,34.04) 15.65,40.54 R131.2 ; v1(76.74,68.7) 77.47,67.97 77.47,63.42 v1(78.04,62.85) ; v2(67.16,23.77) 67.16,33.83 v2(69.9,36.58) ; v2(133.1,72.44) 133.81,72.44 135.13,71.12 142.34,71.12 148.95,64.52 148.95,55.37 154.94,49.38 R169.1 160.83,47.95 R168.2
  L3 w0.381: 117.3,67.21 116.48,67.21 116.43,67.26 ; 117.3,67.21 117.3,66.5 117.45,66.34 ; 117.3,67.21 122.53,72.44 v2(133.1,72.44) ; 117.3,67.21 116.74,66.65 ; v2(67.16,23.77) 18.69,23.77 9.14,33.32 v2(9.14,34.04)
  L3 w0.457: v1(78.04,62.85) 77.95,62.76 77.95,61.84 77.72,61.62 77.72,59.03 76.91,58.22 76.91,57.2 76.4,56.69 v2(75.87,56.69)
  BOTTOM w0.254: 75.73,68.06 76.09,68.41 v1(76.09,68.7) ; C48.2 81.94,62.93 v1(81.94,62.85)
  BOTTOM w0.305: 76.66,68.12 76.74,68.19 v1(76.74,68.7) ; v1(78.04,62.85) 77.93,62.74 C47.2 ; v2(75.79,47.45) 76.61,47.45 78.74,49.58 78.74,50.39 79.35,51 R32.2
  BOTTOM w0.381: v2(88.86,78.19) 88.83,78.16 88.83,78.16 88.8,78.13 v2(88.34,78.13) 87.68,78.13 86.36,76.81 85.9,76.81 R29.1
  BOTTOM w0.508: R36.1 76.05,56.69 v2(75.87,56.69) 75.9,56.67 75.9,56.59 75.39,56.08 R35.1 R34.1 ; R28.2 76.56,75.64 v2(76.2,76)
  BOTTOM w1.016: JP41.3 JP40.3 92.35,90.14 JP13.3
  vias: v2(75.79,46.94) v2(114.91,49.07) v2(115.42,49.07) v2(115.93,49.58) v2(115.93,49.07)
D1.35V: length 51
  TOP w0.203: U6.F11 83.17,65.12 v1(83.16,65.13) 83.21,65.13 ; U6.F13 83.57,63.78 83.31,63.53 v1(83.31,63.5) 83.57,63.24 U6.F14 ; 92.1,66.64 92.26,66.8 93.06,66.8 UR1.K8 ; 81.76,66.93 U6.J8
  TOP w0.216: UR1.R9 v1(92.11,71.21)
  TOP w0.254: v2(101.7,67.77) 102.09,68.16 RR5.2 ; 93.06,62.84 93.06,62.79 UR1.D9 92.65,62.38 92.65,61.65 UR1.C9 93.08,61.21 v1(93.08,61.15) ; 93.06,62.84 UR1.E9 ; 93.06,62.84 93.08,62.84 93.08,62.81 93.12,62.78 93.07,62.78 v1(93.07,62.78) ; UR1.N1 99.81,69.61 v1(99.89,69.69) ; v1(99.94,71.29) 99.15,71.29 UR1.R1 ; UR1.H2 v1(98.71,66.05) ; UR1.H9 92.1,66.19 92.1,66.64 v1(92.1,66.64) ; UR1.N9 93.06,69.99 v1(93.06,70.03) ; UR1.C1 UR1.D2 ; UR1.K2 98.67,66.82 v1(98.67,66.8) ; UR1.A1 99.08,60.06 v1(98.7,60.44) 98.32,60.81 UR1.B2 ; v1(95,64.74) 94.93,64.81 UR1.G7 ; UR1.A8 93.87,60.4 v1(93.9,60.4) ; v1(99.79,64.01) UR1.F1
  TOP w0.305: 81.76,66.93 81.83,66.85 82.7,66.85 ; v1(83.21,67.36) 82.7,66.85 ; 82.7,66.85 82.8,66.85 ; 82.8,66.85 83.11,66.85 v1(83.21,66.75) ; 82.8,66.85 83.11,66.55 ; CR1.1 101.22,67.28 v2(101.7,67.77) ; v1(99.48,62.01) UR1.C1 ; C30.1 118.37,63.23 119.04,63.9 C27.1 R14.2 ; v1(99.47,59.57) 99.47,59.63 UR1.A1
  L3 w0.127: 84.29,68.44 84.9,68.44
  BOTTOM w0.203: CR6.1 83.58,63.36 83.21,62.99
  BOTTOM w0.254: v1(92.11,71.21) 91.97,71.36 CR27.1 ; CR24.1 92.14,66.6 92.1,66.64 v1(92.1,66.64) ; v1(98.7,60.44) 98.7,60.43 CR18.1 99.47,59.66 v1(99.47,59.57) ; CR25.1 96.59,66.52 v1(96.47,66.64) ; CR25.1 96.91,66.12 v1(97.03,66) ; CR25.1 96.59,65.43 95.98,64.82 95.07,64.82 v1(95,64.74) CR26.1 ; CR32.1 100.18,69.39 v1(99.89,69.69) 99.59,69.39 CR22.1
  BOTTOM w0.279: v1(93.07,62.78) 93.21,62.64 CR19.1
  BOTTOM w0.305: CR28.1 93.27,71.59 RR11.2 93.26,71.21 v1(92.11,71.21) ; v1(98.67,66.8) 98.93,67.06 CR30.1 ; v1(93.9,60.4) 94.2,60.4 95.46,61.66 95.46,62.17 96.78,63.49 99.11,63.49 99.64,64.01 v1(99.79,64.01) 100.14,64.37 CR21.1 ; v1(98.71,66.05) 98.77,66.1 CR17.1 ; CR31.1 100.01,71.22 v1(99.94,71.29)
  BOTTOM w0.381: v1(99.48,62.01) 100.04,62.01 CR23.1 ; v1(98.67,66.8) 98.67,66.09 v1(98.71,66.05)
  vias: v1(82.91,59.99) v1(83.21,66.14) v1(83.31,64.14) v1(83.29,58.47) v1(84.28,57.4) v2(114.3,63.3) v2(114.3,62.79) v2(114.3,62.28) v2(114.3,61.77) v2(114.81,63.3) v2(114.81,62.79) v2(114.81,62.28) v2(114.81,61.77)
D3.3V: length 309
  TOP w0.203: v1(77.39,69.35) 77.39,69.35 U6.T4
  TOP w0.305: v2(39.73,80.37) 39.73,80.37 v2(37.29,82.81) ; J12.1 141.22,121 D8.A C148.1 140.72,118.77 v2(142.04,117.45) R124.2 ; R122.2 v2(146.1,116.74) ; U10.8 155.87,84.73 v2(155.65,84.73) ; v2(43.28,39.32) 47.45,39.32 50.5,36.27 55.58,36.27 57.15,34.69 v2(57.15,33.83) R81.1 ; U18.2 143.74,64.53 145.59,62.68 145.59,48.97 159.71,34.85 C160.1 165.96,34.8 R164.1 ; v2(42.27,78.94) v2(42.27,80.53) ; R6.2 C13.1 118.46,75.49 118.06,75.08 ; v2(155.96,86.77) 156.77,87.58 C100.2 166.37,87.53 U9.8 ; R60.2 v2(128.93,92.76) ; R100.1 v2(24.08,34.85) ; v2(137.97,64.41) 136.4,62.84 v2(136.4,62.59) v2(136.4,58.83) v2(136.4,57.51) v2(136.4,53.64) v2(136.4,48.56)
  TOP w0.381: v2(72.64,74.27) 71.73,75.18 71.73,82.8 70.41,84.12 v2(70.41,85.29) ; C171.1 47.55,89.2 v2(47.14,88.8) 46.84,89.1 L5.2 ; v2(137.46,75.9) 137.06,76.3 v2(126.19,76.3) ; v2(168.45,69.9) 167.23,71.12 v2(154.94,71.12) ; R167.1 v2(157.38,52.43)
  TOP w0.508: v2(131.67,86.77) v2(155.96,86.77) ; v2(33.83,39.32) v2(38.4,39.32) v2(43.28,39.32)
  L3 w0.305: 131.41,108.66 U15.2 130.4,109.67 ; 131.41,111.2 U15.1 130.4,110.18 ; 142.5,107.58 J16.1 ; J16.1 141.42,108.66 ; J16.1 142.5,109.74
  BOTTOM w0.254: v2(48.97,85.34) 47.75,84.12 45.34,84.12 44.06,85.41 U25.14
  BOTTOM w0.305: v2(72.64,74.27) 72.67,74.24 72.67,71.2 73.46,70.41 74.88,70.41 75.1,70.19 75.63,70.19 75.89,70.46 76.28,70.46 76.75,69.98 C84.1 76.78,69.39 77.34,69.39 v1(77.39,69.35) ; R198.1 v2(37.29,82.81) ; R135.2 v2(136.4,62.59) ; R141.2 v2(136.4,48.56) R140.2 ; C195.2 v2(129.34,107.19) ; R137.2 v2(136.4,57.51) ; v2(47.85,87.38) 47.4,86.92 R201.1 R200.1 ; R202.1 v2(42.27,80.53) ; R197.1 R190.1 v2(39.73,80.37) ; MQ2.2 37.59,41.15 R91.2 ; R136.2 v2(136.4,58.83) ; R161.2 84.13,113.59 81.28,110.74 81.28,97.84 v2(84.73,94.39) ; R138.2 v2(136.4,53.64) ; MQ1.2 42.47,41.2 R73.2 ; v2(155.96,86.77) 156.06,86.66 C101.1 155.65,84.84 v2(155.65,84.73) 155.15,85.24 R57.2 155.04,83.62 R54.2 155.04,82.61 R55.1 155.04,81.49 R56.2 155.04,77.43 R53.1 155.04,76.2 R59.1 155.04,74.99 R52.1 154.94,74.88 v2(154.94,71.12)
  BOTTOM w0.381: R196.1 46.99,88.95 v2(47.14,88.8) ; v2(154.94,71.12) 154.94,54.87 v2(157.38,52.43) ; v2(168.45,69.9) C199.1 168.59,68.95 U14.8 ; 137.46,65.84 v2(137.46,75.9)
  BOTTOM w0.508: v2(35.26,71.63) R47.2 ; MQ1.2 v2(43.28,39.32) ; R45.2 v2(35.36,75.69) ; v2(76.3,77.32) 77.83,75.79 R30.2 ; MQ2.2 v2(38.4,39.32) ; R42.2 v2(35.46,80.16)
  vias: v2(116.33,75.08) v2(116.33,74.57) v2(116.33,74.07) v2(116.84,75.08) v2(116.84,74.57) v2(116.84,74.07) v2(130.86,107.19) v2(142.44,106.68)